# Altium PCB PCB_Kasli.PCBDOC (part 11 of 16) (continued)
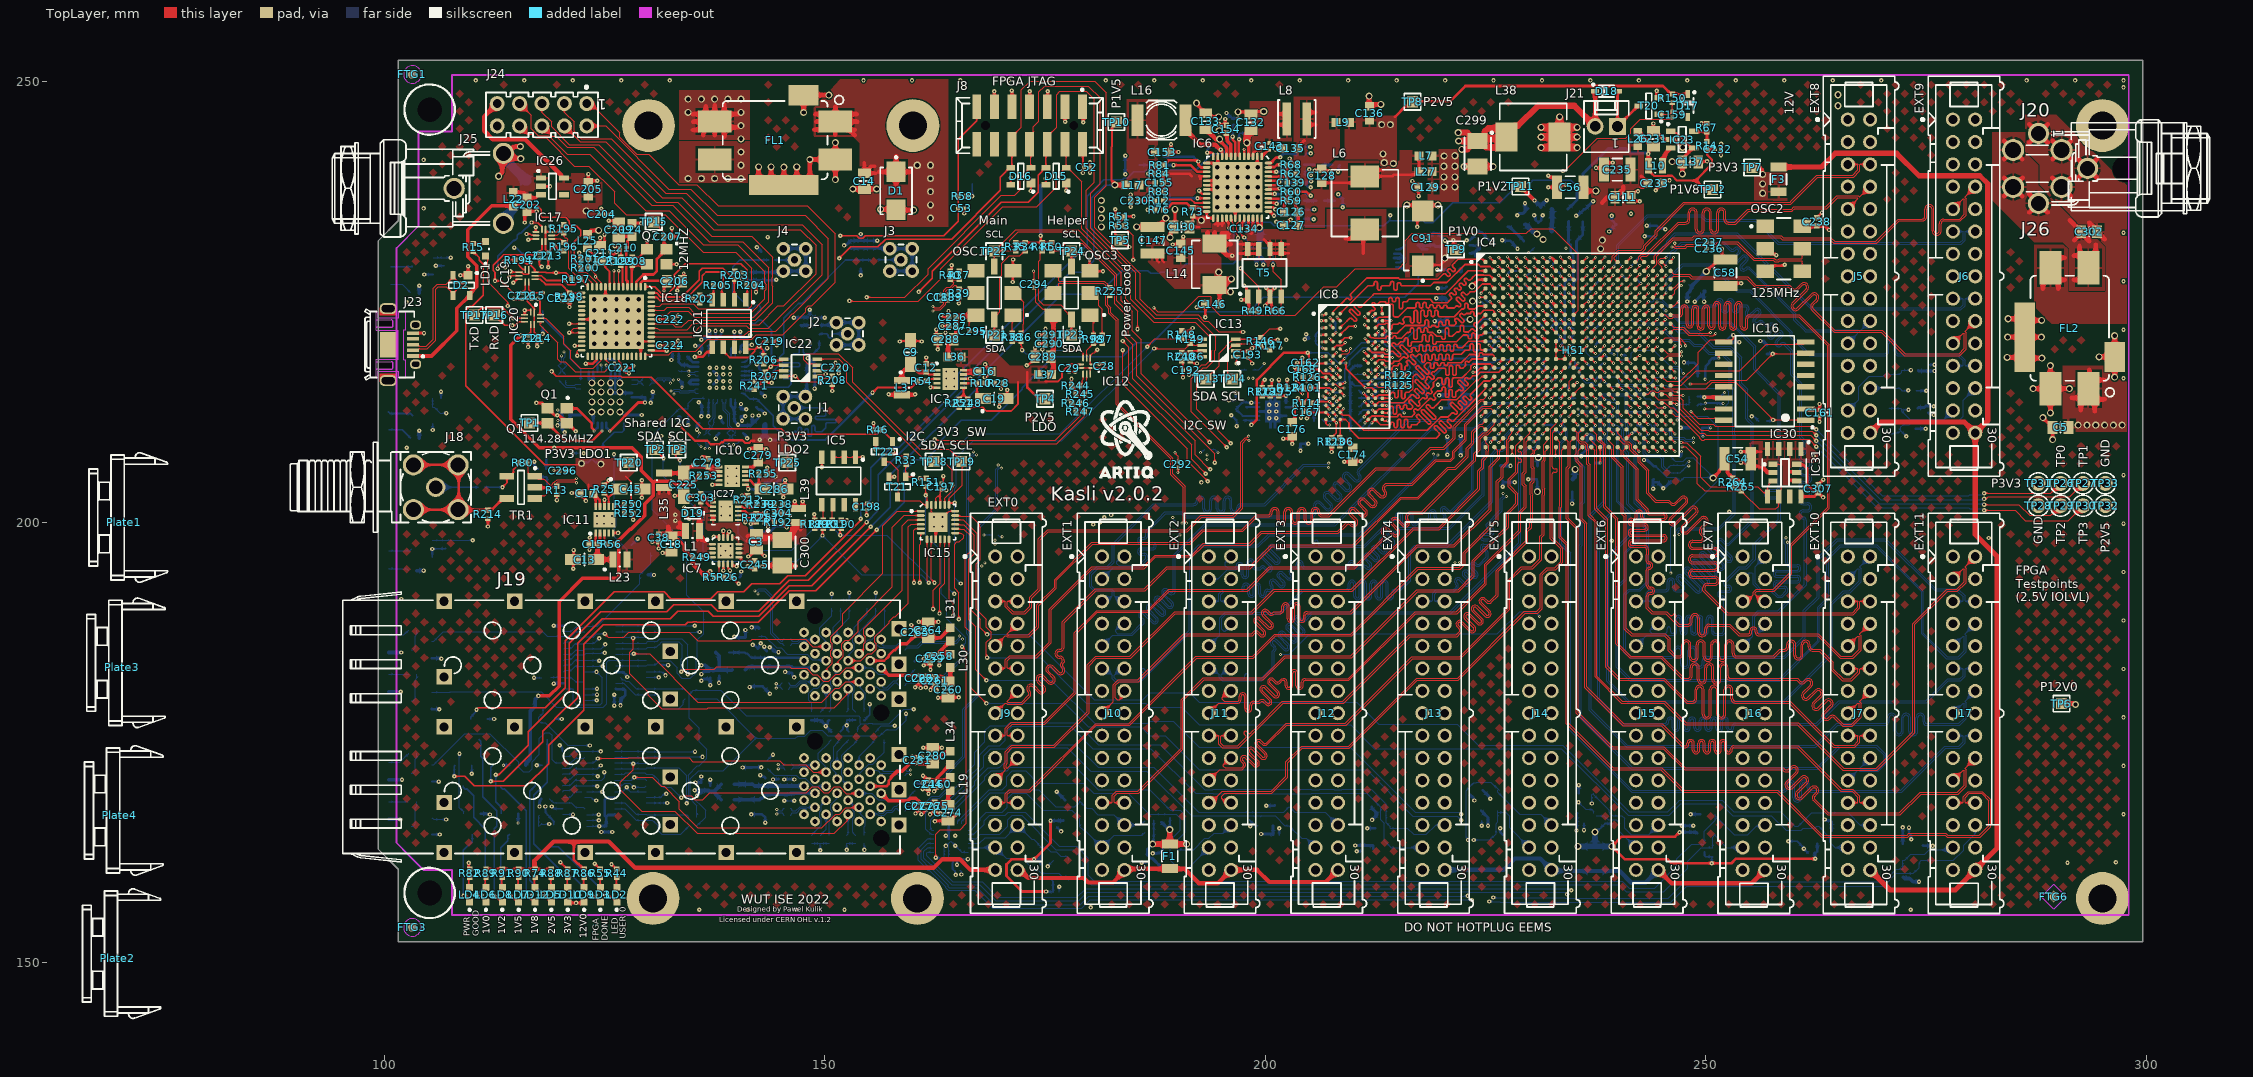
[diagram p0: TopLayer view]
## Nets (pads, with @x,y where several pads share a name; then routed paths per layer and width w, separated by ;. In a path a pad name is that pad's centre, name@x,y a point inside that pad or via, vN(x,y) a via of type N, cw(c..) or ccw(c..) an arc to the next point about the centre after c; other vN are vias at no path point) (continued)
  TopLayer w0.4: v3(185.4,233.5) C147.1@187.2,233.5 ; C147.1@187.2,233.5 187.975,233.5 188.35,233.875 188.35,234.065 188.7,234.415 v3(188.7,234.5) ; v3(201.2,242.4) C135.1@202.1,242.4 ; v1(205.6,239.9) 205.619,239.919 206.219,239.919 C128.1@206.4,240.1 206.66,239.84 207.232,239.84 207.273,239.8 v1(207.3,239.8)
  TopLayer w0.5: v1(136.075,207.325) 136.5,207.325 136.565,207.26 136.69,207.26 C278.1@136.75,207.2 ; FL1.4@142.5,238.294 v3(142.5,240.325) ; v1@142.975,195.075 C300.2@145.175,195.075 145.232,195.018 v1(146.675,195.018) v1@146.732,195.018 ; FL1.4@143.925,238.294 v3(143.925,240.325) ; FL1.4@145.364,238.255 v3(145.364,240.286) ; FL1.4@146.034,238.925 FL1.4@146.825,238.925 ; FL1.4@146.825,238.294 FL1.4@146.825,238.925 ; v3(146.825,240.325) FL1.4@146.825,238.925 ; v3(147.614,246.486) FL1.4@147.614,248.455 v3(150.47,248.455) ; v3(151.214,238.864) FL1.4@151.214,241.155 ; v3(151.214,243.061) FL1.4@151.214,241.155 ; v3(153.2,237.8) C14.1@154.5,237.8 v3(155.9,237.8) ; v3(156.352,235.485) 158.065,235.485 D1.2@158.1,235.45 ; D1.2@158.152,235.398 v3(160.091,235.398) ; v3(211.775,248.35) 211.775,247.241 C136.1@211.836,247.18 212.056,247.4 v3(213.125,247.4) ; 256.45,206.2 256.975,205.675 257.575,205.675 IC30.2@257.625,205.625 ; v3(284.2,218.7) 285.3,218.7 FL2.4@286.2,219.6 ; v3(284.25,221) FL2.4@286.2,221 ; v3(284.3,223.075) 285.3,223.075 286.2,222.175 FL2.4@286.2,222 ; v3(287.15,215.15) FL2.4@289.1,215.15 ; v3(288.075,221) FL2.4@286.2,221 ; v3(288.1,222.9) 287.1,222.9 FL2.4@286.2,222 ; v3(288.125,218.6) 287.1,218.6 286.2,219.5 FL2.4@286.2,219.6 ; v3(289.1,212.4) FL2.4@289.1,215.15 ; v3(289.1,217.75) FL2.4@289.1,215.15 ; v3(291.25,215.15) FL2.4@289.1,215.15 ; v3(294.625,218.75) FL2.4@296.4,218.75 ; v3(296.4,216.45) FL2.4@296.4,218.75 ; v3(296.4,221.15) FL2.4@296.4,218.75 ; FL1.4@146.825,238.925 148.125,238.925 148.32,239.12 v3(148.32,241.155) FL1.4@151.214,241.155 ; FL2.4@286.2,219.6 FL2.4@286.2,221 ; FL2.4@286.2,221 FL2.4@286.2,222
  TopLayer w0.7: v3(222.55,240.35) C299.2@224.1,240.35 v3(225.85,240.35)
  BottomLayer w0.095: C297.1@135.6,209.65 135.727,209.777 135.727,209.866 135.745,209.883 135.745,209.917 135.751,209.923 135.751,210.051 v2(135.8,210.1) ; C298.1@139.75,208.25 139.902,208.402 140.066,208.402 140.146,208.482 v2(140.215,208.482) ; C199.1@169.65,198.55 169.856,198.344 170.124,198.344 v2(170.133,198.335) ; C293.1@189.875,199.3 189.962,199.213 189.962,198.988 190.266,198.684 190.266,198.601 v2(190.315,198.553) ; C201.1@193.85,208.25 194.25,208.25 194.59,207.91 v2(194.634,207.91) ; C200.1@198.6,217.3 199.25,217.3 199.775,217.825 199.775,217.832 199.885,217.942 v2(199.885,218.011)
  BottomLayer w0.1: C96.1@230.813,204.872 C96.1@230.869,204.872 ; C120.1@233.994,219.3 234.132,219.437 C120.1@234.132,219.462
  BottomLayer w0.125: IC25.15@122.75,179.775 v1(124.125,179.775) ; IC25.16@122.75,180.425 v1(124.15,180.425) ; IC25.17@122.75,181.075 v1(124.15,181.075) ; IC24.16@122.975,166.15 v1(124.375,166.15) ; IC24.17@122.975,166.8 v1(124.35,166.8) ; IC24.10@129.75,168.125 v1(132.125,168.125) ; IC25.10@129.75,182.375 v1(131.15,182.375) ; C227.1@131.5,183.85 131.45,183.85 131.5,183.9 131.625,183.775 v1(132.225,183.775) ; v1(145.4,168.375) 145.975,168.375 C273.1@146,168.4 146.025,168.375 v1(146.55,168.375) ; R213.1@151.8,191.17 R130.1@152.8,191.17 v1(152.8,191.975) ; v1(152.5,162.8) R223.1@152.5,163.53 R222.1@153.5,163.53 ; R215.1@152.73,176.22 R215.1@152.75,176.22 R215.1@152.77,176.22 ; IC14.23@163.575,161.85 163.575,163.05 IC14.25@164.075,163.55 ; IC14.22@164.075,161.85 IC14.25@164.075,163.55 ; C196.1@165.35,160.5 165.371,160.5 165.508,160.363 v1(165.508,160.008) ; IC14.18@166.275,162.55 165.575,162.55 IC14.25@164.325,163.8 IC14.25@164.075,163.55 ; v1(175.3,160.925) 175.3,160.95 D3.1@176,161.65 ; C35.1@176.319,165.4 C35.1@176.319,165.45 ; C42.1@176.6,158 176.625,158.025 v1(176.625,158.625) ; C96.1@230.813,204.872 230.869,204.816 C96.1@230.869,204.55 ; v2(244.481,215.11) 244.481,215.094 244.65,214.925 R9.1@244.65,214.145
  BottomLayer w0.2: v1(104.55,228.1) T12.2@105.55,228.1 ; T18.2@105.4,164.55 v1(106.3,164.55) ; T17.2@105.4,170.55 v1(106.2,170.55) ; T19.2@105.451,196.05 v1(105.451,196.951) 105.478,196.978 106.948,196.978 R227.1@106.975,197.005 ; v1(105.503,210.447) T2.2@105.503,211.162 ; v1(105.87,229.08) R23.1@106.8,229.08 ; R19.1@106.445,214.075 v1(106.445,214.795) ; v1(109.95,171.45) T8.2@109.95,172.4 ; T10.2@111.7,177.65 v1(112.475,177.65) ; v1(117.325,172.4) T7.2@117.95,172.4 ; v1(118.3,167.725) 118.3,167.04 118.57,166.77 R45.1@118.57,166.75 ; R45.1@118.5,166.8 118.76,166.54 118.78,166.54 119.25,166.07 T3.2@119.25,165.65 ; v1(119.014,167.725) 119.02,167.725 119.27,167.475 IC28.2@120.275,167.475 ; T4.2@119.45,177.65 v1(120.15,177.65) ; v2@119.7,212.695 v2@119.7,212.717 ; v2(119.7,212.725) v2@119.7,212.717 ; v2@119.808,211.625 120.15,211.625 120.3,211.775 C25.1@120.3,212.117 v2@119.7,212.717 ; v1(119.925,174.675) 120.217,174.383 120.217,174.033 IC28.12@120.275,173.975 ; v1(121.341,207.817) C26.1@122.07,207.817 122.649,207.817 v1(122.656,207.81) v1@122.685,207.81 ; T14.2@128.05,197.375 v1(128.775,198.1) ; v1(148.325,220.35) 148.325,219.705 R18.2@148.33,219.7 ; R193.1@151.75,176.22 151.77,176.22 152.086,176.536 152.086,176.761 152.25,176.925 v1(152.5,176.925) ; R215.1@152.73,176.22 152.54,176.41 152.54,176.885 v1(152.5,176.925) ; R140.1@153.5,177.53 R141.1@152.5,177.53 v1(152.5,176.925) ; C35.1@176.319,165.4 v1(176.819,164.9) ; v1(185.969,161.35) C36.1@186.619,161.35 ; v1(195.869,213.8) C172.1@196.644,213.8 v1(196.644,214.7) ; v1(196.144,212.125) C177.1@196.769,211.5 v1(196.769,210.9) ; C37.1@201.569,164.5 v1(201.569,165.25) ; v1(204.5,220.75) 204.55,220.8 204.808,220.8 204.969,220.8 C169.1@205.019,220.85 204.663,221.206 204.625,221.244 v1(204.625,221.325) ; v2(208.129,223.261) 208.129,223.258 C164.1@208.658,222.729 ; v1(210.369,162.65) C39.1@211.019,162.65 ; C165.1@212.862,221.043 v2(212.862,221.625) ; C166.1@213.444,222.9 v2@214.24,222.9 ; v2(213.768,213.249) 213.992,213.025 C171.1@214.519,213.025 215.144,213.025 v2(215.769,212.4) ; C170.1@214.469,216.95 v2@214.83,217.31 ; v2(223.744,217.525) 223.754,217.515 224.254,217.515 C84.1@224.269,217.5 ; v2(224.344,225) 224.544,225 C64.1@224.919,224.625 ; v1(224.569,165.55) C40.1@224.569,166.1 ; v2(226.491,216.015) 226.981,215.525 C88.1@227.144,215.525 ; v2@226.491,229.015 227.006,228.5 C115.1@227.094,228.5 ; v2(226.491,230.015) 226.491,229.953 226.844,229.6 C113.1@227.144,229.6 ; v2(227.491,213.015) 227.981,212.525 C90.1@228.144,212.525 ; v2(228.491,210.015) 228.704,210.015 C74.1@229.194,209.525 ; v2(228.491,226.015) 228.684,226.015 C125.1@229.169,226.5 ; v2(229.491,228.015) 229.742,228.015 C116.1@230.209,228.482 ; C123.1@230.169,224.5 230.169,224.425 230.53,224.064 v2(230.53,223.961) ; v2(230.491,218.015) 230.616,218.015 C105.1@231.119,218.518 ; v2(230.491,221.015) 230.704,221.015 C102.1@231.194,220.525 ; v2(230.494,222.975) 230.494,223.125 C83.1@230.844,223.475 ; C106.1@231.169,217.5 231.47,217.2 v2(231.47,217.015) ; C97.1@231.169,227.5 231.531,227.138 v2(231.531,226.975) ; C95.1@231.194,222.5 231.491,222.203 v2(231.491,222.015) ; C102.1@231.265,220.525 231.444,220.346 231.444,220.062 v2(231.491,220.015) ; C108.1@231.269,214.5 231.491,214.722 v2(231.491,215.015) ; v2(231.525,211.007) 231.543,211.025 C62.1@232.644,211.025 ; C112.1@232.144,229.525 232.169,229.525 232.269,229.625 232.269,229.85 v2@232.369,229.95 ; C100.1@232.169,224.525 232.491,224.203 v2(232.491,224.015) ; C124.1@232.169,226.5 232.169,226.172 v2(232.48,225.861) ; C104.1@232.171,223.504 232.555,223.119 232.53,223.094 v2(232.53,222.961) ; C103.1@232.317,216.493 232.469,216.341 232.469,216.037 v2(232.491,216.015) ; v2(232.455,214.035) 232.512,214.035 232.976,214.5 C107.1@233.144,214.5 ; C114.1@233.144,228.5 233.466,228.179 233.466,227.954 v2(233.494,227.925) ; C120.1@234.132,219.462 234.519,219.075 v2@234.519,218.975 ; C98.1@234.273,215.528 234.298,215.528 234.348,215.478 234.348,215.156 234.48,215.024 v2(234.48,215.01) ; C99.1@234.444,217.5 234.569,217.625 v2@234.569,217.957 ; v2(234.491,214.015) 234.526,214.05 C65.1@235.194,214.05 ; v2(234.491,221.015) v2@234.654,221.015 ; C121.1@234.994,221.225 234.784,221.015 v2@234.654,221.015 ; C122.1@235.019,220.65 v2@234.654,221.015 ; v1(236.169,165.05) C41.1@236.169,165.8 ; v2(236.469,224) 236.669,224 C117.1@236.969,224.3 ; v2(236.491,222.015) 236.776,222.3 237.069,222.3 C69.1@237.244,222.475 ; v2(236.491,226.015) 236.684,226.015 C73.1@236.994,226.325 ; v2(236.503,209.965) 237.004,209.965 C63.1@237.244,209.725 ; v2(237.469,219.95) 237.469,220.125 C55.1@237.844,220.5 ; v2(237.491,216.015) 237.491,216.172 C118.1@237.844,216.525 ; v2(237.491,227.015) C61.1@238.019,227.543 ; C119.1@237.894,217.65 C119.1@237.819,217.575 237.844,217.575 238.256,217.986 238.486,217.986 v2@238.5,218 ; C79.1@239.044,219.175 239.394,219.175 v2(239.569,219) ; v2(240.444,218.95) 240.919,218.95 C70.1@240.969,218.9 ; v2(240.491,228.015) 240.956,227.55 C68.1@241.094,227.55 ; v2@240.669,216.922 241.041,216.55 C78.1@241.144,216.55 ; v2(241.491,214.015) 241.981,213.525 C75.1@242.144,213.525 ; C89.1@244.829,224.49 244.965,224.49 v2(245.469,223.986) ; 245.294,223.925 245.294,224.15 ; R43.1@249.063,213.242 249.2,213.379 249.803,213.379 249.931,213.506 v2(249.944,213.506) C229.1@251.535,213.506 ; C229.1@251.519,213.4 251.55,213.431 251.931,213.431 v2(251.96,213.46) ; v1(259.35,163.781) D12.1@260.3,163.781 260.35,163.781 v1@261,163.131 ; v1(261.125,162.925) C32.1@261.625,162.425 ; v1(273.05,165.327) C31.1@273.05,164.7 273.3,164.45 v1(273.3,164) ; D11.1@273.919,214.9 v1(275.019,214.9) ; C33.1@275.25,217.85 v1(275.95,217.85)
  BottomLayer w0.25: R85.1@204.432,237.49 204.432,237.47 204.829,237.073 205.102,237.073 v1(205.15,237.025) ; R72.1@204.466,242.604 R72.1@204.432,242.57 v1(205.095,242.57) ; v1(204.975,240.025) 204.915,240.025 C156.1@204.412,239.522 204.586,239.348 205.148,239.348 v1(205.175,239.375) ; v1(205.15,238) 204.918,238 C157.1@204.412,238.506 204.514,238.608 205.133,238.608 v1(205.2,238.675) ; v1(208.25,239.75) 208.298,239.798 208.298,240.36 C142.1@208.476,240.538 ; v1@208.285,237.147 C138.1@208.788,236.644
  BottomLayer w0.3: T16.2@105.4,178.8 105.425,178.775 106.225,178.775 v1(106.25,178.75) ; T11.2@105.4,184.55 106.396,184.55 106.446,184.5 v1(106.5,184.5) ; T6.2@110.95,166.9 111.857,166.9 111.946,166.811 v1(112,166.811) ; v2(113.53,172.4) T15.2@114.2,172.4 ; v1(113.75,228.9) 113.8,228.95 113.8,228.975 114.126,229.301 114.126,230.051 T13.2@114.15,230.075 ; v2(115.2,165.852) T9.2@115.2,166.9 ; v1(117.025,206.85) 117.025,206.445 117.24,206.23 117.24,206.21 117.38,206.07 R154.2@117.4,206.07 ; v1(117.99,221.36) T1.2@117.99,222.062 ; v1@119.225,188.2 v1(119.25,188.225) IC29.12@120.4,188.225 ; v1(119.25,181.67) 119.304,181.67 119.343,181.709 120.384,181.709 IC29.2@120.4,181.725 ; v1(119.675,210.975) 119.8,211.1 C23.1@120.2,211.1 ; C23.1@120.3,211.1 C23.1@120.2,211.1 ; v1(120.5,210.2) 120.491,210.2 120.2,210.491 C23.1@120.2,211.1 ; IC2.37@123.222,216.149 IC2.19@123.222,217.049 ; IC2.8@123.722,211.249 IC2.37@123.722,212.649 ; IC2.37@123.722,215.649 IC2.20@123.722,217.049 ; v1(124.65,164.825) C306.1@125.225,164.825 v1(125.875,164.825) ; R17.1@125.22,218.475 126,218.475 126.139,218.336 v1(126.139,217.983) 126.15,217.994 126.15,218 126.153,217.997 126.222,217.928 IC2.25@126.222,217.049 IC2.37@126.222,215.149 ; IC2.24@125.722,217.049 125.722,214.649 IC2.31@128.122,214.649 ; v1(126.125,179.175) C305.1@126.125,179.85 v1(126.125,180.4) ; IC29.21@126.3,183.025 126.375,182.95 127.175,182.95 127.498,182.627 127.498,182.577 127.598,182.477 v1(127.598,182.423) v1@127.6,182.425 ; IC2.37@126.722,215.649 IC2.26@126.722,217.049 ; IC2.37@127.222,212.149 IC2.36@128.122,212.149 v1(129.226,212.149) ; v1(130.25,213.525) 130.25,213.901 C24.1@130.498,214.149 v1(130.498,214.798) ; v1(132.6,218.4) 132.6,218.454 132.7,218.554 132.7,219.05 C187.1@132.75,219.1 ; v2(133.4,216.2) 133.75,215.85 133.8,215.85 C49.1@133.85,215.8 133.827,215.777 133.827,215.34 133.8,215.314 v2(133.8,215.3) ; v1(134.5,211) R243.1@134.5,211.93 ; v1(135.3,220) C234.1@136.05,220 136.05,219.476 135.8,219.226 v1(135.8,219.2) ; v1(135.325,170.45) C267.1@136,170.45 135.988,170.462 135.988,171.113 v1(135.975,171.125) ; v1(135.507,210.498) 135.507,210.982 R4.2@135.755,211.23 ; v1(135.7,213.6) 136.044,213.256 136.044,212.806 C239.1@136.05,212.8 136.05,212.104 136,212.054 v1(136,212) ; v1(136,182) 136.054,182 136.254,182.2 136.9,182.2 C178.1@137,182.3 v1(137,181.5) ; v1(136,220.7) 136.054,220.7 136.254,220.9 C190.1@136.95,220.9 136.95,221.596 136.9,221.646 v1(136.9,221.7) ; C266.1@137,170.1 v1(137,170.775) ; IC1.33@137.35,215.628 v5(137.719,215.997) IC1.33@138.1,216.378 v5(137.719,216.759) IC1.33@137.35,217.128 ; v1(137.65,209.475) 137.688,209.513 137.688,209.763 138.005,210.08 R7.2@138.005,210.1 ; v1(138,181.75) 138.013,181.763 C181.1@138.013,182.538 ; v1(138.129,211.912) 138.129,211.858 138.33,211.657 138.33,211.39 R6.2@138.47,211.25 ; v1(139.75,187) 139.804,187 139.904,186.9 C179.1@141,186.9 v1(141,187.75) ; R179.1@140.37,193.75 140.466,193.846 140.466,194.291 140.525,194.35 v1(140.525,194.393) ; v2(140.4,219.3) 140.4,219.314 140.48,219.394 140.48,219.93 C243.1@140.55,220 140.661,220.111 v1(141.732,220.111) ; v1(140.4,221.6) 140.4,221.546 140.45,221.496 C191.1@140.45,220.9 141.167,220.9 141.503,221.236 v1(141.557,221.236) ; C242.1@140.49,211.96 C242.1@140.45,212 C242.1@140.475,212 ; v1(140.5,213.4) 140.475,213.375 140.475,212.825 C241.1@140.45,212.8 v1(141.1,212.8) ; v1@140.6,227.545 v1(140.6,227.6) 140.74,227.459 C194.1@141.606,227.459 141.608,227.457 142.603,227.457 142.606,227.459 C195.1@143.606,227.459 144.459,227.459 v1(144.5,227.5) ; v1(140.61,211.51) 140.61,211.564 140.525,211.648 140.525,211.95 C242.1@140.475,212 ; v1(140.675,172.15) C268.1@141.75,172.15 141.758,172.158 v1(142.782,172.158) ; R8.2@140.77,210.1 140.77,210.08 140.91,209.94 140.917,209.94 141.154,209.703 141.154,209.545 v1(141.192,209.506) v1@141.192,209.562 ; v1(141,212) C242.1@140.475,212 ; v1(141.475,181.275) 141.529,181.275 141.604,181.35 C184.1@142.75,181.35 142.95,181.35 v1(143.775,180.525) ; v1(141.65,166.825) 142.725,166.825 C272.1@142.75,166.85 142.85,166.85 143.25,166.45 v1(143.25,165.9) ; v1(141.832,186.059) 141.886,186.059 141.97,185.975 142.075,185.975 C180.1@142.4,185.65 142.56,185.81 142.56,186.06 v1(142.75,186.25) ; R16.2@142.25,213.03 142.27,213.03 142.55,212.75 142.775,212.75 v1(143.2,212.325) ; v1(142.3,217.925) 142.58,217.645 142.58,217.39 R152.2@142.72,217.25 ; v1(142.3,231.195) R24.2@142.781,230.714 ; R32.1@142.606,227.454 142.662,227.398 142.662,226.892 142.906,226.649 v1(142.906,226.594) ; v1(142.682,171.283) 142.736,171.283 142.909,171.11 143.09,171.11 C269.1@143.25,170.95 ; R47.2@142.72,214.75 142.72,214.73 143.19,214.26 v1(143.207,214.26) ; R48.2@142.72,216 142.72,216.02 142.86,216.16 143.41,216.16 143.619,216.369 144.273,216.369 v1(144.311,216.407) ; R153.2@142.72,219 142.72,219.02 143.452,219.752 v1(143.455,219.752) v1@143.45,219.747 ; v1(143.125,185.875) 143.163,185.837 143.163,185.612 143.4,185.375 C183.1@143.4,185.35 ; R256.2@143.17,203.525 143.258,203.437 143.258,203.579 143.31,203.631 143.701,203.631 144.82,204.75 v1(145.5,204.75) ; R181.1@143.22,200 143.36,199.86 143.36,199.698 v1@143.559,199.499 ; v1(143.757,185.809) 143.795,185.771 143.913,185.771 144.15,185.533 144.15,185.4 C182.1@144.2,185.35 144.2,185.338 144.25,185.288 144.712,185.288 v1(144.75,185.25) ; v1(144.132,170.783) 144.186,170.783 144.227,170.824 144.724,170.824 C270.1@144.75,170.85 ; v1(145.407,170.783) 145.44,170.817 145.967,170.817 C271.1@146,170.85 146.033,170.817 146.524,170.817 v1(146.557,170.783) ; v1(145.5,183) 145.554,183 145.654,182.9 C185.1@146.25,182.9 146.3,182.85 146.3,182.651 146.525,182.426 v1(146.525,182.375) ; v1(146.5,223.2) 147.249,223.2 C46.1@147.299,223.25 ; C46.1@147.299,223.25 C47.1@149.3,223.25 149.35,223.2 v1(150,223.2) ; v1(148.095,218.611) 148.198,218.611 148.85,217.958 C43.1@148.85,217.901 C44.1@148.85,215.9 v1(148.85,215.15) ; R30.1@148.3,223.27 v1(148.3,224.1) ; v1(152.2,231.4) 152.391,231.4 152.942,231.95 C48.1@152.999,231.95 C144.1@155.2,231.95 v1(155.95,231.95) ; v1@154.1,228.05 R21.2@154.1,228.73 ; R31.1@154.099,231.97 v1(154.1,232.7) ; IC14.25@164.075,164.05 IC14.9@164.075,165.75 ; v1(176.319,169.4) D4.1@177.269,168.45 ; v1@184.112,239.513 C152.1@184.112,240.538 v1@184.112,241.613 ; v1(186.75,237) 187,237 R77.1@187.49,237.49 ; v1(187.219,162.4) 187.919,162.4 D5.1@188.369,162.85 ; v1(195.6,246.425) 195.6,246.4 195.975,246.025 196.045,246.025 196.045,246.023 196.26,245.808 196.871,245.808 v1(196.91,245.77) ; R93.1@198.12,245.072 198.13,245.062 v1(199.51,245.062) v1@199.497,245.075 ; IC9.8@199.344,212.55 v5(200.444,212.55) IC9.11@200.844,212.55 ; v1(200.119,167.8) 201.019,167.8 D6.1@201.069,167.85 ; IC9.11@201.344,212.05 IC9.4@202.344,212.05 ; v1(203.994,208.1) C173.1@203.994,208.9 v1(204.894,208.9) ; R65.1@204.432,234.442 204.466,234.408 205.466,234.408 v1(205.5,234.374) ; v1(204.625,221.325) 204.663,221.287 204.663,221.206 204.663,220.944 C169.1@204.808,220.8 ; v1@208.285,237.147 v1(208.285,237.187) ; v1(208.788,235.737) C138.1@208.788,236.474 ; v1(211.569,165.25) D7.1@212.469,165.25 ; v2(213.736,214.849) 214.269,215.382 C163.1@214.269,215.475 ; v2@214.24,222.9 v2(214.279,222.861) ; C170.1@214.444,216.95 C170.1@214.469,216.95 ; v1(218.219,231.95) 219.094,232.825 219.157,232.762 219.582,232.762 v1(220.394,231.95) ; v1(219.494,228.65) 220.497,228.65 C81.1@220.665,228.482 ; v1(219.569,226.55) 220.419,226.55 C60.1@220.569,226.7 ; v1(219.594,215.6) 219.975,215.6 C110.1@220.665,216.29 ; v1(219.719,214.375) 219.856,214.512 C92.1@220.515,214.512 C92.1@220.665,214.512 ; v1(219.755,221.636) 220.4,221.636 C93.1@220.665,221.37 ; v1(219.919,212.95) 220.869,212.95 C110.1@220.869,215.95 ; v1(220.665,207.641) v1(220.665,209.699) ; v1(222.869,231.975) 223.194,231.975 224.145,232.926 224.259,233.04 224.4,232.899 224.545,232.899 225.469,231.975 v1(225.844,231.975) ; v2(224.469,222) 224.469,222.141 224.818,222.49 225.204,222.49 C85.1@225.219,222.475 ; D8.1@224.694,169.55 225.519,168.725 v1(225.519,168.6) ; v1@226.869,231.95 v1(226.869,231.975) 226.894,231.95 227.744,231.95 228.617,231.077 v1(228.617,231.013) v1@228.605,231 ; v1(226.952,204.014) 226.952,204.66 227.086,204.525 v1(228.294,204.525) ; v1(229.836,204.86) C96.1@230.801,204.86 ; v1(230.5,234.814) 230.538,234.775 230.538,234.712 230.671,234.579 230.671,234.305 C101.1@230.996,233.98 231.321,234.305 231.321,234.571 231.462,234.712 231.462,234.775 v1(231.5,234.814) ; v3(230.869,203.45) C96.1@230.869,204.55 ; v2(234.471,211.997) v2@234.509,211.997 ; v1(234.819,202.1) C59.1@234.819,203.408 ; v1(235.275,234.775) 235.313,234.813 235.458,234.813 L5.1@236.144,235.5 236.269,235.5 v1@237.119,236.35 ; D9.1@235.569,169.25 v1(235.569,170.15) ; v1(235.869,207.45) 235.869,207.675 236.894,208.7 C87.1@237.119,208.7 ; C87.1@236.503,209.191 v2(236.503,209.965) ; C87.1@237.244,208.968 C63.1@237.244,209.725 ; v1(239.019,232.975) C149.1@239.819,233.775 239.319,234.275 v1(239.319,234.75) ; 242.235,211.009 242.497,211.009 242.847,210.659 C80.1@242.847,210.524 ; v1(243.294,233.65) 244.394,233.65 244.694,233.35 v1@245.292,233.35 ; C66.1@243.969,204.525 C66.1@244.006,204.525 ; v1(244.006,203.785) C66.1@244.006,204.525 ; C66.1@244.069,204.85 244.006,204.786 C66.1@244.006,204.525 ; v1(245.169,203.85) v1@245.169,203.875 ; R2.1@246.028,204.611 245.292,203.875 v1@245.169,203.875 ; R211.1@247.07,207.408 247.085,207.408 247.225,207.548 v2(247.225,208) ; v1(247.269,165.55) C30.1@247.919,165.55 v1(248.569,165.55) ; v1(248.269,166.85) D10.1@249.369,166.85 ; v1(248.744,225.025) 249.419,225.7 249.519,225.7 C77.1@249.744,225.925 ; v2(249.669,209.7) 249.597,209.772 249.597,210.702 C76.1@249.747,210.702 v2(250.542,210.702) ; v1(249.794,225.025) 249.744,225.075 C77.1@249.744,225.925 ; v2(249.912,216.211) 249.922,216.22 249.922,216.255 249.925,216.259 249.925,217.349 249.994,217.419 249.994,217.7 C67.1@250.369,218.075 250.369,218.23 250.744,218.605 v2@251.399,218.605 ; D13.1@273.837,210.601 v1(274.937,210.601) ; D14.1@274.644,163.3 274.694,163.25 v1(275.75,163.25) ; C34.1@275.25,212.4 275.5,212.15 v1(275.85,212.15) ; C66.1@244.006,204.525 244.519,204.525 v1@245.169,203.875 ; C77.1@249.744,225.925 249.744,226.25 C77.1@249.894,226.25 249.894,226.075 C77.1@249.744,225.925